# KiCad board MW601_KB.kicad_pcb (continued)
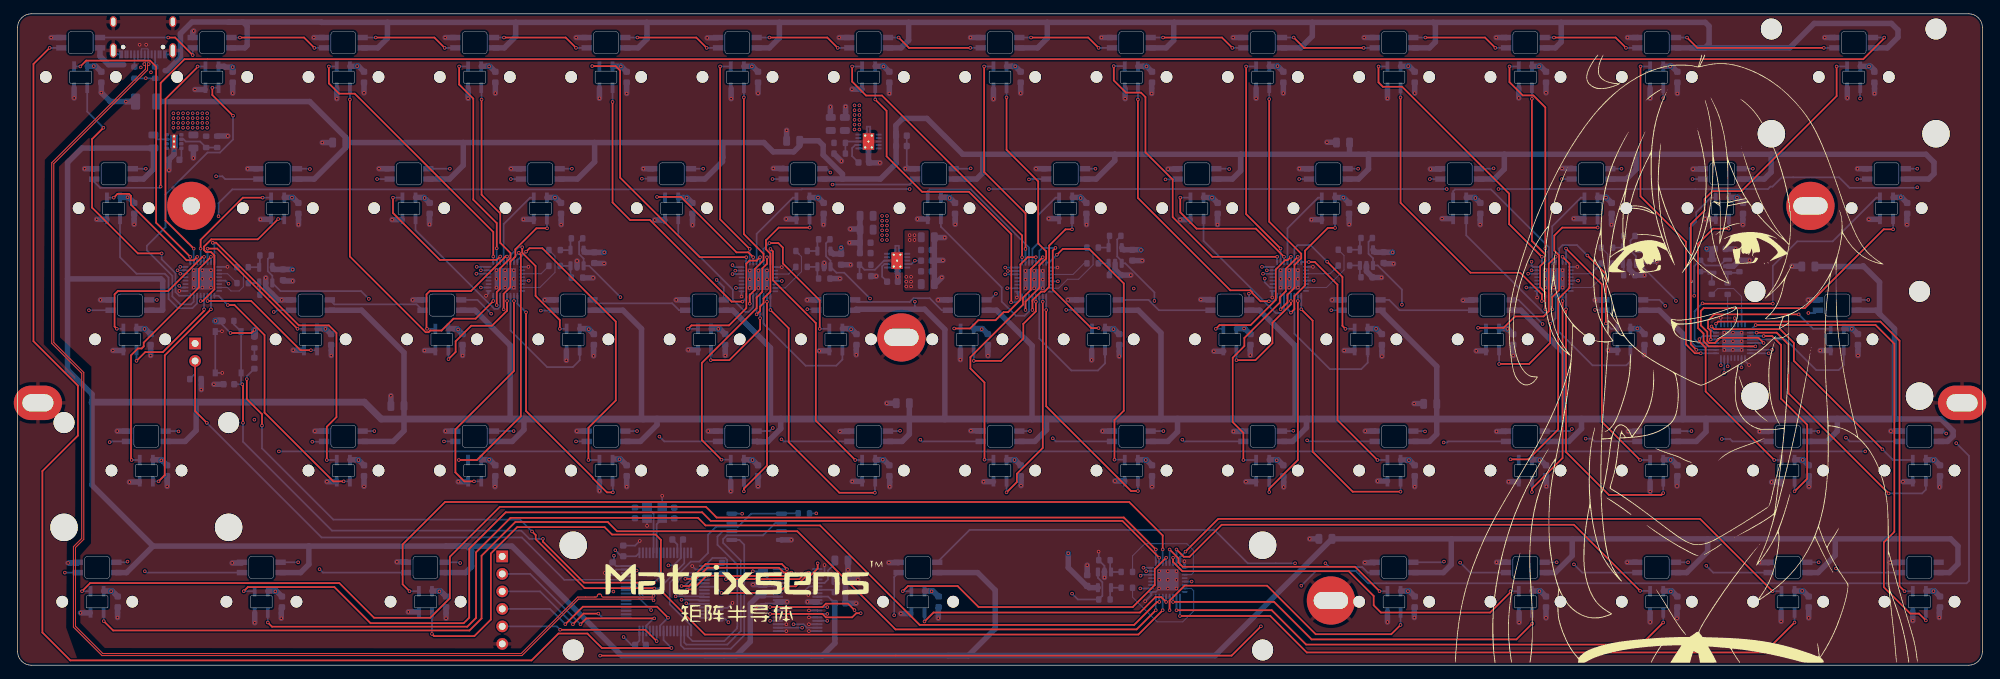
[diagram p0: board, top side]
## Routing (per net, layer and track width the routed paths; a pad name or vN(x,y) marks a point on that pad's centre or on a via; arc(x,y) is an arc through that point) (continued)
  Top w0.25: v1(25.05,59.3) 20.09,64.26 20.09,86.93 19.22,87.8 9.95,87.8 v1(9.1,86.95)
  Bottom w0.25: U2.17 v1(25.05,59.3) ; v1(9.1,86.95) MW1.2
/Key Layout/OUT_P2: length 33.2
  Top w0.25: v1(25.55,60.5) 21.45,64.6 21.45,82.21 26.1,86.86 v1(26.1,86.95)
  Bottom w0.25: v1(26.1,86.95) MW2.2 ; U2.18 v1(25.55,60.5)
/Key Layout/OUT_P3: length 40.8
  Top w0.25: v1(45.15,86.95) 45.15,84.49 46.64,83 48.91,83 69,62.91 v1(69,59.35)
  Bottom w0.25: v1(69,59.35) U3.17 ; v1(45.15,86.95) MW3.2
/Key Layout/OUT_P4: length 32
  Top w0.25: v1(69.5,60.55) 69.5,64.2 66.1,67.6 66.1,82.28 64.05,84.33 v1(64.05,86.95)
  Bottom w0.25: v1(64.05,86.95) MW4.2 ; U3.18 v1(69.5,60.55)
/Key Layout/OUT_P5: length 44.8
  Top w0.25: v1(83.35,87) 86.75,87 87.4,86.35 87.4,70.8 98.95,59.25 v1(105.7,59.25)
  Bottom w0.25: v1(83.35,87) 84.35,87 MW5.2 ; U4.17 v1(105.7,59.25)
/Key Layout/OUT_P6: length 31.8
  Top w0.25: v1(101.9,86.95) 101.9,64.75 v1(106.2,60.45)
  Bottom w0.25: v1(101.9,86.95) MW6.2 ; U4.18 v1(106.2,60.45)
/Key Layout/OUT_P7: length 41.5
  Top w0.25: v1(121.05,86.95) 121.05,84.75 123.07,82.73 125.38,82.73 145.7,62.41 v1(145.7,59.25)
  Bottom w0.25: v1(145.7,59.25) U5.17 ; v1(121.05,86.95) MW7.2
/Key Layout/OUT_P8: length 32.3
  Top w0.25: v1(146.2,60.45) 146.2,65.62 140.2,71.62 v1(140.2,86.95)
  Bottom w0.25: U5.18 v1(146.2,60.45) ; v1(140.2,86.95) MW8.2
/Key Layout/OUT_P9: length 46.7
  Top w0.25: v1(182.7,59.31) 173.31,59.31 167.55,65.08 167.55,70.52 163.6,74.47 163.6,82.5 162.95,83.15 160.77,83.15 159,84.92 v1(159,87)
  Bottom w0.25: v1(159,87) 160.55,87 MW9.2 ; U6.17 v1(182.7,59.31)
/Key Layout/OUT_P10: length 31.9
  Top w0.25: v1(183.2,60.51) 178.2,65.51 v1(178.2,86.95)
  Bottom w0.25: v1(178.2,86.95) MW10.2 ; U6.18 v1(183.2,60.51)
/Key Layout/OUT_P11: length 41.2
  Top w0.25: v1(221.1,59.31) 220.98,59.43 220.97,59.43 216.35,64.05 216.35,68.48 216.14,68.69 200.83,84 198.04,84 197.4,84.64 v1(197.4,86.95)
  Bottom w0.25: v1(221.1,59.31) U7.17 ; v1(197.4,86.95) MW11.2
/Key Layout/OUT_P12: length 32.8
  Top w0.25: v1(216.4,86.95) 216.4,84.67 218.33,82.75 219.86,82.75 221.6,81 v1(221.6,60.51)
  Bottom w0.25: U7.18 v1(221.6,60.51) ; v1(216.4,86.95) MW12.2
/Key Layout/OUT_P13: length 49.4
  Top w0.25: v1(244.15,45.31) 243.3,45.31 242,46.6 242,61.5 235.4,68.1 v1(235.4,86.95)
  Bottom w0.25: v1(244.15,45.31) 244.16,45.3 U8.17 ; v1(235.4,86.95) MW13.2
/Key Layout/OUT_P14: length 57.1
  Top w0.25: v1(243.5,45.8) 242.7,46.6 242.7,64.05 244.7,66.05 244.7,67.7 245.85,68.85 250.05,68.85 263.85,82.65 v1(263.85,86.95)
  Bottom w0.25: v1(243.5,45.8) U8.18 ; v1(263.85,86.95) MW14.2
/Key Layout/OUT_P15: length 19
  Top w0.25: v1(26.05,59.3) 25.56,58.81 24.52,58.81 16.45,66.88 16.45,68.16 16.15,68.44 14.5,68.44 v1(13.95,67.9)
  Bottom w0.25: v1(13.95,67.9) MW15.2 ; U2.19 v1(26.05,59.3)
/Key Layout/OUT_P16: length 16
  Top w0.25: v1(35.55,67.9) 32.67,67.9 26.55,61.78 v1(26.55,60.5)
  Bottom w0.25: v1(35.55,67.9) MW16.2 ; U2.20 v1(26.55,60.5)
/Key Layout/OUT_P17: length 23
  Top w0.25: v1(54.45,67.9) 54.45,65.66 61.26,58.86 69.5,58.86 v1(70,59.35)
  Bottom w0.25: v1(54.45,67.9) 55.83,67.9 ; U3.19 v1(70,59.35)
/Key Layout/OUT_P18: length 11.5
  Bottom w0.25: U3.20 70.5,64.05 74.35,67.9 MW18.2
/Key Layout/OUT_P19: length 19.6
  Top w0.25: v1(92.75,68) 96.24,68 104.28,59.95 105.99,59.95 v1(106.7,59.25)
  Bottom w0.25: U4.19 v1(106.7,59.25) ; MW19.2 93.83,68 v1(92.75,68)
/Key Layout/OUT_P20: length 12.1
  Bottom w0.25: U4.20 107.2,62.64 112.46,67.9 MW20.2
/Key Layout/OUT_P21: length 21.4
  Bottom w0.25: U5.19 146.7,60.65 138.25,69.1 132.3,69.1 132.03,68.83 MW21.2
/Key Layout/OUT_P22: length 11.4
  Bottom w0.25: U5.20 147.2,60.45 148.05,61.3 148.05,65.38 150.56,67.9 MW22.2
/Key Layout/OUT_P23: length 22.1
  Top w0.25: v1(168.65,67.9) 168.65,65.76 171.01,63.4 179.61,63.4 v1(183.7,59.31)
  Bottom w0.25: U6.19 v1(183.7,59.31) ; v1(168.65,67.9) MW23.2
/Key Layout/OUT_P24: length 11.7
  Bottom w0.25: U6.20 184.2,63.45 188.65,67.9 MW24.2
/Key Layout/OUT_P25: length 20.6
  Bottom w0.25: U7.19 222.1,60.71 213.71,69.1 208.5,69.1 208.23,68.83 MW25.2
/Key Layout/OUT_P26: length 11.6
  Bottom w0.25: U7.20 222.6,63.74 226.76,67.9 MW26.2
/Key Layout/OUT_P27: length 26.9
  Bottom w0.25: U8.19 243.4,46.3 242.55,47.15 242.55,63.49 243.48,64.42 243.48,65.78 245.6,67.9 MW27.2
/Key Layout/OUT_P28: length 44.4
  Top w0.25: v1(254.6,52.5) 244.45,52.5 v1(244.4,52.55)
  Bottom w0.25: MW28.2 269.62,67.9 263.28,61.55 258.15,61.55 254.6,58 v1(254.6,52.5) ; v1(244.4,52.55) 243.25,51.4 243.25,47.35 243.8,46.8 U8.20
/Key Layout/OUT_P29: length 22.1
  Top w0.25: v1(27.05,59.3) 26.8,59.3 21.84,54.34 14.55,54.34 14.07,53.86 14.07,49.18 v1(14.4,48.85)
  Bottom w0.25: U2.21 v1(27.05,59.3) ; v1(14.4,48.85) MW29.2
/Key Layout/OUT_P30: length 20.8
  Top w0.25: v1(27.55,60.5) 28.95,60.5 v1(40.6,48.85)
  Bottom w0.25: v1(40.6,48.85) MW30.2 ; U2.22 v1(27.55,60.5)
/Key Layout/OUT_P31: length 21
  Top w0.25: v1(59.4,48.85) 59.31,48.94 59.31,53.86 59.79,54.34 65.76,54.34 70.77,59.35 v1(71,59.35)
  Bottom w0.25: U3.21 v1(71,59.35) ; v1(59.4,48.85) MW31.2
/Key Layout/OUT_P32: length 18.3
  Top w0.25: v1(73.2,60.7) 73.2,59.9 75.13,57.97 75.13,53.64 78.65,50.12 v1(78.65,48.85)
  Bottom w0.25: v1(78.65,48.85) MW32.2 ; v1(73.2,60.7) 72.65,60.7 71.5,59.55 U3.22
/Key Layout/OUT_P33: length 20.7
  Top w0.25: v1(97.25,48.85) 97.74,49.34 103.2,49.34 105.7,51.85 105.7,58.31 106.15,58.75 107.2,58.75 v1(107.7,59.25)
  Bottom w0.25: v1(97.25,48.85) MW33.2 ; U4.21 v1(107.7,59.25)
/Key Layout/OUT_P34: length 20.8
  Top w0.25: v1(116.35,48.85) 116.35,52.99 111,58.34 111,60.65 110.35,61.3 v1(109.05,61.3)
  Bottom w0.25: v1(116.35,48.85) MW34.2 ; v1(109.05,61.3) 108.2,60.45 U4.22
/Key Layout/OUT_P35: length 20.9
  Top w0.25: v1(147.7,59.25) 146.5,59.25 145.46,58.21 145.46,53.06 143.68,51.28 143.03,51.28 141.85,50.1 139.35,50.1 138.15,48.9 v1(135.85,48.9)
  Bottom w0.25: v1(135.85,48.9) 136.74,48.9 MW35.2 ; 147.7,58.49 v1(147.7,59.25)
/Key Layout/OUT_P36: length 20.5
  Top w0.25: v1(156.8,48.95) 155.74,48.95 150.15,54.54 150.15,60.2 v1(150.55,60.6)
  Bottom w0.25: 148.2,58.49 148.2,60.15 148.65,60.6 v1(150.55,60.6) ; v1(156.8,48.95) 155.94,48.95 155.89,48.9 ; 155.89,48.9 MW36.2 155.89,48.9
/Key Layout/OUT_P37: length 19.7
  Top w0.25: v1(173.8,48.85) 174.34,49.39 178.84,49.39 182.5,53.05 182.5,57.46 183.85,58.82 184.21,58.82 v1(184.7,59.31)
  Bottom w0.25: v1(173.8,48.85) MW37.2 ; U6.21 v1(184.7,59.31)
/Key Layout/OUT_P38: length 20.1
  Top w0.25: v1(192.6,48.85) 192.17,49.28 192.17,56.38 v1(189.95,58.6)
  Bottom w0.25: U6.22 185.2,60.51 185.7,61.01 187.54,61.01 189.6,58.95 v1(189.95,58.6) ; v1(192.6,48.85) MW38.2
/Key Layout/OUT_P39: length 21.5
  Top w0.25: v1(211.85,49) 215.55,49 217.2,50.65 221.35,50.65 222.09,51.39 222.09,58.31 v1(223.1,59.31)
  Bottom w0.25: v1(223.1,59.31) U7.21 ; MW39.2 212.84,49 v1(211.85,49)
/Key Layout/OUT_P40: length 19.9
  Top w0.25: v1(227.7,59.5) 230.38,56.83 v1(230.38,49.62)
  Bottom w0.25: MW40.2 231.15,48.85 v1(230.38,49.62) ; v1(227.7,59.5) 226.19,61.01 224.09,61.01 223.6,60.51 U7.22
/Key Layout/OUT_P41: length 22.7
  Top w0.25: v1(258.35,50.95) 246.1,50.95 245.2,50.05 245.2,48.95 245.59,48.56 v1(245.59,47.3)
  Bottom w0.25: v1(258.35,50.95) 260.45,48.85 MW41.2 ; v1(245.59,47.3) U8.21
/Key Layout/OUT_P42: length 36.6
  Top w0.25: v1(28.05,59.3) 26.31,57.56 26.31,54.86 18.3,46.85 18.3,46.29 18,46 17.45,46 16.45,45 16.45,29.9 v1(16.55,29.8)
  Bottom w0.25: U2.23 v1(28.05,59.3) ; v1(16.55,29.8) MW42.2
/Key Layout/OUT_P43: length 46.8
  Top w0.25: v1(28.3,61.35) 28.8,61.35 40.8,49.34 45.16,49.34 46.25,48.25 46.25,36.03 44.85,34.63 v1(44.85,29.8)
  Bottom w0.25: U2.24 28.55,61.1 v1(28.3,61.35) ; v1(44.85,29.8) MW43.2
/Key Layout/OUT_P44: length 38.5
  Top w0.25: v1(72.7,59.9) 72.83,59.77 72.83,59.75 72.99,59.58 72.99,36.16 66.63,29.8 v1(64,29.8)
  Bottom w0.25: v1(64,29.8) MW44.2 ; v1(72.7,59.9) 72,59.19 U3.23
/Key Layout/OUT_P45: length 43
  Top w0.25: v1(82.8,29.8) 82.8,34.48 86.77,38.45 86.77,49.9 76.12,60.55 74.25,60.55 v1(73.75,60.05)
  Bottom w0.25: U3.24 72.5,58.8 v1(73.75,60.05) ; v1(82.8,29.8) MW45.2
/Key Layout/OUT_P46: length 36.6
  Top w0.25: v1(102.1,29.85) 99.25,32.7 99.25,43.9 107.2,51.85 107.2,53.4 108.02,54.22 108.02,57.62 108.7,58.3 v1(108.7,59.25)
  Bottom w0.25: U4.23 v1(108.7,59.25) ; v1(102.1,29.85) 103.4,29.85 MW46.2
/Key Layout/OUT_P47: length 38.7
  Top w0.25: v1(121.5,29.8) 115.78,35.52 115.78,49.69 109.56,55.91 109.56,60.09 v1(109.2,60.45)
  Bottom w0.25: v1(109.2,60.45) U4.24 ; v1(121.5,29.8) MW47.2
/Key Layout/OUT_P48: length 36.7
  Top w0.25: v1(148.7,59.25) 146.96,57.5 146.96,54.49 145.83,53.36 145.83,52.36 138.21,44.73 138.21,43.09 140.25,41.05 v1(140.25,29.85)
  Bottom w0.25: v1(140.25,29.85) 141.5,29.85 MW48.2 ; U5.23 v1(148.7,59.25)
/Key Layout/OUT_P49: length 41.9
  Top w0.25: v1(150.75,59.6) 151.6,60.45 155.45,60.45 160.45,55.45 160.45,36.95 159.1,35.6 v1(159.1,29.85)
  Bottom w0.25: 149.25,58.49 149.64,58.49 v1(150.75,59.6) ; 149.25,58.49 U5.24 ; 149.25,58.49 149.2,58.49 ; v1(159.1,29.85) 160.55,29.85 MW49.2
/Key Layout/OUT_P50: length 36.7
  Top w0.25: v1(185.7,59.31) 183.96,57.57 183.96,54.31 183.09,53.44 183.09,52.66 177.95,47.52 177.95,46.35 176.26,44.66 176.26,35.3 177.8,33.75 v1(177.8,29.8)
  Bottom w0.25: U6.23 v1(185.7,59.31) ; v1(177.8,29.8) MW50.2
/Key Layout/OUT_P51: length 35.9
  Top w0.25: v1(197.25,29.8) 191.45,35.6 191.45,55.26 188.16,58.55 v1(187.3,58.55)
  Bottom w0.25: MW51.2 v1(197.25,29.8) ; v1(187.3,58.55) 186.21,58.55 ; 186.21,58.55 U6.24 ; 186.21,58.55 186.2,58.55
/Key Layout/OUT_P52: length 36.9
  Top w0.25: v1(224.1,59.31) 225.09,58.32 225.09,54.8 223.45,53.16 223.45,34.22 219.14,29.9 v1(216.55,29.9)
  Bottom w0.25: U7.23 v1(224.1,59.31) ; MW52.2 217.65,29.9 v1(216.55,29.9)
/Key Layout/OUT_P53: length 38.6
  Top w0.25: v1(224.6,60.51) 229.8,55.31 229.8,35.35 v1(235.35,29.8)
  Bottom w0.25: v1(224.6,60.51) U7.24 ; v1(235.35,29.8) MW53.2
/Key Layout/OUT_P54: length 25.7
  Top w0.25: v1(243.95,47.35) 243.95,47 244.85,46.1 244.85,39.75 v1(254.8,29.8)
  Bottom w0.25: v1(243.95,47.35) 244.4,47.8 U8.22 ; v1(254.8,29.8) MW54.2
/Key Layout/OUT_P55: length 40.1
  Top w0.25: v1(270.5,31.35) 257.65,44.2 257.65,46.8 255.66,48.8 246.11,48.8 v1(245.7,49.2)
  Bottom w0.25: v1(245.7,49.2) 245.7,48.63 246.03,48.3 U8.23 ; v1(270.5,31.35) 272.05,29.8 MW55.2
/Key Layout/OUT_P56: length 174.3
  Top w0.25: v1(165.1,16.81) 160.46,21.45 101.4,21.45 99.85,23 69.95,23 62.7,15.75 62.7,9.73 59.87,6.9 51.7,6.9 46.67,11.93 10.53,11.93 v1(9.35,10.75)
  Bottom w0.25: U9.17 v1(165.1,16.81) ; v1(9.35,10.75) MW56.2
/Key Layout/OUT_P57: length 152.8
  Top w0.25: v1(165.6,15.61) 160.26,20.95 100.55,20.95 99.3,22.2 70.8,22.2 65.51,16.91 65.51,6.91 64.7,6.1 51.2,6.1 45.95,11.35 33.4,11.35 v1(32.8,10.75)
  Bottom w0.25: v1(32.8,10.75) MW57.2 ; v1(165.6,15.61) U9.18
/Key Layout/OUT_P58: length 127.4
  Top w0.25: v1(56.85,10.75) 55.85,11.75 55.85,17.55 62,23.7 161.25,23.7 166.1,18.85 v1(166.1,16.81)
  Bottom w0.25: U9.19 v1(166.1,16.81) ; v1(56.85,10.75) MW58.2
/Key Layout/OUT_P59: length 46.1
  Top w0.25: v1(128.4,10.75) 129.15,11.5 136.35,11.5 139.4,8.45 161.75,8.45 164.94,11.64 164.94,13.96 v1(166.6,15.61)
  Bottom w0.25: v1(128.4,10.75) MW59.2 ; U9.20 v1(166.6,15.61)
/Key Layout/OUT_P60: length 36.4
  Top w0.25: v1(167.1,16.81) 168.38,15.53 168.38,14.92 169,14.3 194,14.3 v1(197.55,10.75)
  Bottom w0.25: v1(167.1,16.81) U9.21 ; MW60.2 v1(197.55,10.75)
/Key Layout/OUT_P61: length 56.7
  Top w0.25: v1(167.6,15.61) 167.6,15 168.95,13.65 193.1,13.65 196.7,10.05 196.7,8.7 197.75,7.65 213.59,7.65 216.55,10.61 v1(216.55,10.75)
  Bottom w0.25: U9.22 v1(167.6,15.61) ; v1(216.55,10.75) MW61.2
/Key Layout/OUT_P62: length 77
  Top w0.25: v1(168.1,16.81) 169.16,15.75 170,15.75 174.65,20.4 225.75,20.4 v1(235.35,10.8)
  Bottom w0.25: v1(168.1,16.81) U9.23 ; MW62.2 236.75,10.8 v1(235.35,10.8)
/Key Layout/OUT_P63: length 94.8
  Top w0.25: v1(254.55,10.75) 244.05,21.25 174.15,21.25 v1(169.4,16.5)
  Bottom w0.25: v1(254.55,10.75) MW63.2 ; v1(169.4,16.5) 168.6,15.7 U9.24
/Key Layout/OUT_P64: length 67
  Top w0.25: v1(273.7,10.75) 272.98,11.47 272.98,47.12 270.19,49.91 246.66,49.91 v1(246.35,49.6)
  Bottom w0.25: 246.35,49.2 246.38,49.17 U8.24 ; 246.35,49.2 246.35,48.8 ; 246.35,49.2 v1(246.35,49.6) ; v1(273.7,10.75) MW64.2
/MCU/A0: length 464.9
  In1.Cu w0.25: v1(23.2,57.35) 24.3,57.35 25.67,58.72 64.94,58.72 66.3,57.36 67.19,57.36 v1(67.2,57.35) 68.19,58.34 80.8,58.34 81.6,57.55 103.85,57.55 v1(104.1,57.3) 105.15,58.35 109.7,58.35 112.49,61.15 120.05,61.15 120.55,60.65 139.6,60.65 143,57.25 v1(143.65,57.25) 144.75,57.25 147.61,60.1 157.26,60.1 159.6,62.45 164.25,62.45 169.35,57.35 v1(181.2,57.35) 182.2,58.35 186.4,58.35 187.15,59.09 217.86,59.09 v1(219.6,57.35) 221.05,58.8 237.18,58.8 237.57,59.2 244.25,59.2 251.5,51.95 251.5,44.65 252.25,43.9 252.25,42.65 251.7,42.1 247.9,42.1 v1(247.55,42.45) 247.55,43.75 247.25,44.05 246.44,44.05 245.35,42.95 245.35,24.5 242.95,22.1 168.4,22.1 162.3,16 162.3,14.15 162.8,13.65 v1(163.7,13.65) 164.05,13.65 164.75,12.95 164.75,9.45 163.65,8.35 143.2,8.35 137.6,2.75 100.15,2.75 95.45,7.45 v1(95.45,10)
  Bottom w0.25: U6.15 v1(181.2,57.35) ; U2.15 v1(23.2,57.35) ; v1(95.45,10) 99.52,10 99.62,9.9 ; U8.15 247.55,44.6 v1(247.55,42.45) ; U7.15 v1(219.6,57.35) ; U9.15 v1(163.7,13.65) ; U4.15 v1(104.1,57.3) ; U5.15 v1(143.65,57.25) ; U3.15 v1(67.2,57.35)
/MCU/A1: length 457.7
  In1.Cu w0.25: v1(23.6,56.85) 24.27,56.85 24.4,56.98 24.45,56.98 25.82,58.34 64.45,58.34 65.95,56.85 v1(66.55,56.85) 68.27,56.85 69.27,57.84 73.16,57.84 73.82,57.18 103.32,57.18 v1(103.7,56.8) 105,56.8 106.08,57.88 110.22,57.88 112.5,60.16 139.25,60.16 142.65,56.75 v1(143.25,56.75) 145,56.75 146.7,58.45 156.4,58.45 159.75,61.8 164.1,61.8 169.05,56.85 v1(180.65,56.85) 182,56.85 183,57.84 187.2,57.84 187.74,57.3 218.65,57.3 v1(219.1,56.85) 220.05,56.85 221.55,58.35 235.38,58.35 235.82,57.9 244.75,57.9 251,51.65 251,44.54 251.7,43.84 251.7,43.25 251.15,42.7 248.75,42.7 v1(248.05,43.4) 248.05,43.77 247.41,44.42 246.22,44.42 244.75,42.95 244.75,25 242.75,23 168,23 161.6,16.6 161.6,14.25 162.85,13 v1(162.9,13) 163.65,12.25 163.65,10.75 161.75,8.85 142.85,8.85 137.3,3.3 100.9,3.3 96.3,7.9 v1(96.3,9.5)
  Bottom w0.25: U6.14 v1(180.65,56.85) ; U5.14 v1(143.25,56.75) ; v1(248.05,43.4) 248.06,43.41 U8.14 ; U7.14 v1(219.1,56.85) ; U3.14 v1(66.55,56.85) ; v1(162.9,13) 163.05,13.15 U9.14 ; v1(96.3,9.5) 98.75,9.5 98.85,9.4 99.62,9.4 ; U2.14 v1(23.6,56.85) ; U4.14 v1(103.7,56.8)
/MCU/A2: length 453.5
  In1.Cu w0.25: v1(97,9) 97,8.1 101.25,3.85 136.95,3.85 143.01,9.91 161.61,9.91 v1(162.85,11.15) 160.7,13.3 160.7,16.85 167.35,23.5 234.7,23.5 234.95,23.75 241.9,23.75 244.15,26 244.15,43.15 245.85,44.85 247.9,44.85 249.5,43.25 v1(250.05,43.25) 250.6,43.8 250.6,51.05 244.3,57.35 234.06,57.35 233.5,56.8 220.8,56.8 v1(218.85,54.85) 216.85,56.85 182.52,56.85 181.82,56.15 v1(180.9,56.15) 180.85,56.2 168.7,56.2 163.55,61.35 160,61.35 155.15,56.5 145.3,56.5 v1(143.55,54.75) 141.25,57.05 119.48,57.05 118.97,56.55 105.95,56.55 v1(104.2,54.8) 102.26,56.75 70.4,56.75 70.05,56.39 70.05,55.7 69.69,55.34 67.69,55.34 v1(67.2,54.85) 65.3,56.75 25.1,56.75 v1(23.45,55.1)
  Bottom w0.25: v1(23.45,55.1) 23.7,54.85 U2.10 ; U4.10 v1(104.2,54.8) ; v1(97,9) 97.1,8.9 99.62,8.9 ; U3.10 v1(67.2,54.85) ; U8.10 250.05,44.6 v1(250.05,43.25) ; v1(180.9,56.15) 180.9,55.61 181.66,54.85 U6.10 ; U5.10 v1(143.55,54.75) ; U7.10 v1(218.85,54.85) ; U9.10 v1(162.85,11.15)
/MCU/BOOT0: length 82.9
  Top w0.25: J3.2 25.75,36.9 v1(27.45,35.2)
  Bottom w0.25: J3.2 25.75,42.33 R4.2 ; v1(27.45,35.2) 44.1,18.55 73.15,18.55 79.3,12.4 88.27,12.4
/MCU/D+: length 188.5
  Top w0.149: v1(19.02,87.3) 18.85,87.12 18.85,86.44 5.25,72.84 5.25,46.86 9.6,42.51 9.6,18.29 8.4,17.09 8.4,5.66 12.36,1.7 73.04,1.7 81.24,9.9 83.89,9.9 arc(84.04,9.96) 84.1,10.12 arc(84.17,10.27) 84.32,10.33 84.49,10.33 arc(84.64,10.27) 84.7,10.12 arc(84.77,9.96) 84.92,9.9 92.07,9.9 v1(92.25,10.08)
  Bottom w0.149: 88.27,11.9 89.44,11.9 89.54,11.8 89.86,11.8 90.5,11.16 90.5,10.31 90.91,9.9 92.07,9.9 v1(92.25,10.08) ; J2.A6 17.95,89.45 18,89.5 18.88,89.5 18.95,89.43 J2.B6 18.95,87.84 18.85,87.74 18.85,87.48 v1(19.02,87.3)
/MCU/D-: length 188.5
  Top w0.149: v1(92.25,9.42) 92.07,9.6 81.36,9.6 73.16,1.4 12.24,1.4 8.1,5.54 8.1,17.21 9.3,18.41 9.3,42.39 4.95,46.74 4.95,72.96 18.55,86.56 18.55,87.12 v1(18.38,87.3)
  Bottom w0.149: 18.45,88.03 J2.A7 18.45,88.03 ; 18.45,88.03 18.45,87.84 18.55,87.74 18.55,87.48 v1(18.38,87.3) ; 18.45,88.03 18.32,87.91 17.52,87.91 17.45,87.98 J2.B7 ; 88.27,11.4 89.44,11.4 89.54,11.5 89.74,11.5 90.2,11.04 90.2,10.19 90.79,9.6 92.07,9.6 v1(92.25,9.42)
/MCU/EN: length 478.5
  In1.Cu w0.25: v1(91.9,8) 92.25,8 97.95,2.3 138.05,2.3 143.1,7.35 163.5,7.35 164.7,8.55 165.66,8.55 166.11,8.99 166.11,13.81 166.2,13.9 165.95,14.15 v1(163.3,14.15) 163.3,15.71 169.04,21.45 243.7,21.45 246.2,23.95 246.2,42.7 v1(247.05,43.55) 247.05,42.25 247.75,41.55 252,41.55 252.75,42.3 252.75,52.15 254.3,53.7 254.3,57.3 251.85,59.75 236.7,59.75 236.45,60 221,60 v1(219.6,58.6) 217.65,60.55 187.8,60.55 186.07,58.82 181.47,58.82 v1(180.5,57.85) 169.7,57.85 164.65,62.9 158.9,62.9 157.15,61.15 147.85,61.15 146.65,59.95 145.45,59.95 v1(143.25,57.75) 143.25,57.77 139.87,61.15 122.95,61.15 122.26,61.84 112.2,61.84 109.07,58.72 104.32,58.72 v1(103.7,58.1) 102.5,59.3 81.05,59.3 80.61,58.86 67.61,58.86 v1(66.6,57.85) 64.66,59.8 24.85,59.8 23.6,58.55 v1(23.6,57.85)
  Bottom w0.25: v1(247.05,43.55) 247.06,43.56 U8.16 ; U4.16 104,57.8 v1(103.7,58.1) ; U7.16 219.8,57.85 219.6,58.05 v1(219.6,58.6) ; U3.16 v1(66.6,57.85) ; U9.16 v1(163.3,14.15) ; 88.27,9.9 90,9.9 v1(91.9,8) ; U2.16 v1(23.6,57.85) ; U6.16 v1(180.5,57.85) ; U5.16 v1(143.25,57.75)
/MCU/LED_Pin: length 86
  Top w0.25: v1(74.62,19.42) 74.63,19.42 75.16,18.89 75.16,18.3 82.25,11.19 92.3,11.19 v1(92.35,11.15) ; v1(35.45,34.8) 35.45,36.45 33.25,38.65 v1(33.25,41.55)
  Bottom w0.25: D65.1 33.25,41.96 v1(33.25,41.55) ; v1(92.35,11.15) 93.05,11.15 96.7,14.8 U23.14 ; v1(35.45,34.8) 35.45,31.5 45.8,21.15 72.89,21.15 v1(74.62,19.42)
/MCU/NRST: length 92.3
  Top w0.25: v1(76.2,18.35) 76.2,17.95 82.15,12 v1(92.35,12) ; v1(32.7,35.2) 32.7,40.7 v1(32.6,40.8)
  Bottom w0.25: C76.2 v1(32.6,40.8) 32.42,40.97 SW1.2 SW1.2 31.38,49.5 R1.1 ; v1(32.7,35.2) 32.7,32.45 45.6,19.55 73.05,19.55 74.25,18.35 v1(76.2,18.35) ; U23.7 93.2,12.85 v1(92.35,12)
/MCU/OSC_IN: length 8.8
  Bottom w0.25: C78.2 91.22,22.9 Y1.3 92.25,22.03 92.25,16.38 U23.5
/MCU/OSC_OUT: length 7.1
  Bottom w0.25: C79.2 95.2,21.28 Y1.1 92.7,20.48 U23.6
/MCU/SPI2_MISO: length 34.7
  Bottom w0.25: U23.35 96.7,3.3 97,3 102.95,3 104.9,4.95 104.9,15.2 102.34,17.76 102.34,18.31 102.87,18.85 108.11,18.85 110,20.73 U22.2
/MCU/SPI2_MOSI: length 27.5
  Bottom w0.25: U22.5 104.7,18.19 105.4,17.5 105.4,4.35 103.45,2.4 96.7,2.4 96.2,2.9 U23.36
/MCU/SPI2_NSS: length 32.6
  Bottom w0.25: R38.1 110.84,22.05 U22.1 106.41,22 104.51,20.1 101.3,20.1 100.15,18.95 100.15,16.3 98.9,15.05 97.65,15.05 94.6,12 94.6,8.85 97.7,5.75 U23.33
/MCU/SPI2_SCK: length 25.9
  Bottom w0.25: U22.6 102.3,19.47 101.52,18.69 101.52,17.48 104.4,14.6 104.4,5.6 104.35,5.55 104.35,5.35 102.5,3.5 97.9,3.5 97.2,4.2 U23.34
/MCU/SWCLK: length 20.8
  Top w0.25: v1(84.25,7.5) 82.1,7.5 v1(80.55,5.95)
  Bottom w0.25: v1(80.55,5.95) 75.78,10.72 J1.3 ; 88.27,6.9 84.85,6.9 v1(84.25,7.5)
/MCU/SWDIO: length 27.8
  Top w0.25: v1(81.65,5.95) 82.5,6.8 v1(92.35,6.8)
  Bottom w0.25: J1.2 74.34,13.26 v1(81.65,5.95) ; U23.46 91.2,5.75 92.25,6.8 v1(92.35,6.8)
/MCU/USART1_RX: length 24.8
  Top w0.25: v1(78.7,5.15) 91.05,5.15 v1(92.7,3.5)
  Bottom w0.25: v1(78.7,5.15) 78.21,5.64 J1.5 ; U23.43 v1(92.7,3.5)
/MCU/USART1_TX: length 29.1
  Top w0.25: v1(79.45,5.95) 81.99,8.5 92.75,8.5 v1(94.35,6.9)
  Bottom w0.25: J1.4 77.22,8.18 v1(79.45,5.95) ; v1(94.35,6.9) 93.2,5.75 U23.42
Net-(D1-DOUT): length 15.6
  Top w0.25: v1(25.4,88.6) 22.85,91.15 v1(21.85,91.15)
  Bottom w0.25: v1(25.4,88.6) D2.4 ; D1.2 v1(21.85,91.15)
Net-(D2-DOUT): length 14.1
  Top w0.25: v1(43.05,89.65) 41.55,91.15 v1(32.25,91.15)
  Bottom w0.25: D2.2 v1(32.25,91.15) ; v1(43.05,89.65) D3.4
Net-(D3-DOUT): length 14.1
  Top w0.25: v1(51.95,91.15) 60.45,91.15 v1(61.95,89.65)
  Bottom w0.25: v1(61.95,89.65) D4.4 ; D3.2 v1(51.95,91.15)
Net-(D4-DOUT): length 14.1
  Top w0.25: v1(81,89.65) 79.5,91.15 v1(70.55,91.15)
  Bottom w0.25: v1(81,89.65) D5.4 ; D4.2 v1(70.55,91.15)
Net-(D5-DOUT): length 14.1
  Top w0.25: v1(99.95,89.65) 98.45,91.15 v1(89.9,91.15)
  Bottom w0.25: D5.2 v1(89.9,91.15) ; v1(99.95,89.65) D6.4
Net-(D6-DOUT): length 14.1
  Top w0.25: v1(118.95,89.65) 117.45,91.15 v1(109.05,91.15)
  Bottom w0.25: v1(118.95,89.65) D7.4 ; D6.2 v1(109.05,91.15)
Net-(D7-DOUT): length 14.1
  Top w0.25: v1(127.8,91.15) 129.3,89.65 v1(138.2,89.65)
  Bottom w0.25: v1(138.2,89.65) D8.4 ; D7.2 v1(127.8,91.15)
Net-(D8-DOUT): length 14.1
  Top w0.25: v1(156.8,89.65) 155.3,91.15 v1(147,91.15)
  Bottom w0.25: v1(156.8,89.65) D9.4 ; D8.2 v1(147,91.15)
Net-(D10-DIN): length 14.1
  Top w0.25: v1(176.2,89.65) 174.7,91.15 v1(166.15,91.15)
  Bottom w0.25: v1(176.2,89.65) D10.4 ; D9.2 v1(166.15,91.15)
Net-(D10-DOUT): length 14.1
  Top w0.25: v1(195.25,89.65) 186.6,89.65 v1(185.1,91.15)
  Bottom w0.25: v1(195.25,89.65) D11.4 ; D10.2 v1(185.1,91.15)
Net-(D11-DOUT): length 14.1
  Top w0.25: v1(214.35,89.65) 212.85,91.15 v1(204.2,91.15)
  Bottom w0.25: v1(214.35,89.65) D12.4 ; D11.2 v1(204.2,91.15)
Net-(D12-DOUT): length 14.1
  Top w0.25: v1(222.85,91.15) 231.8,91.15 v1(233.3,89.65)
  Bottom w0.25: D12.2 v1(222.85,91.15) ; v1(233.3,89.65) D13.4
Net-(D13-DOUT): length 23.6
  Top w0.25: v1(262,89.65) 243.65,89.65 v1(242.15,91.15)
  Bottom w0.25: v1(262,89.65) 263.53,89.65 ; D13.2 v1(242.15,91.15)
Net-(D14-DOUT): length 280
  Top w0.25: v1(270.75,91.15) 270.75,91.04 267.71,88 24.2,88 20.75,84.55 v1(20.75,69.5)
  Bottom w0.25: D15.4 11.11,70.19 11.97,69.33 20.57,69.33 v1(20.75,69.5) ; D14.2 v1(270.75,91.15)
Net-(D15-DOUT): length 18.8
  In2.Cu w0.25: v1(28.8,71) 19.7,71 v1(18.6,72.1)
  Bottom w0.25: D16.4 30.1,70.6 29.7,71 v1(28.8,71) ; v1(18.6,72.1) D15.2
Net-(D17-DOUT): length 14.7
  In2.Cu w0.25: v1(62.7,72.1) 62.4,72.1 70.05,72.1 v1(71.55,70.6)
  Bottom w0.25: D17.2 v1(62.7,72.1) ; v1(71.55,70.6) D18.4
Net-(D18-DOUT): length 14.1
  In2.Cu w0.25: v1(80.4,72.1) 89.1,72.1 v1(90.55,70.65)
  Bottom w0.25: D18.2 v1(80.4,72.1) ; v1(90.55,70.65) 92.02,70.65 D19.4
Net-(D19-DOUT): length 14.1
  In2.Cu w0.25: v1(99.45,72.1) 108,72.1 v1(109.5,70.6)
  Bottom w0.25: D19.2 v1(99.45,72.1) ; v1(109.5,70.6) D20.4
Net-(D20-DOUT): length 15.6
  In2.Cu w0.25: v1(118.2,69.8) 118.2,71.25 v1(117.9,71.55)
  Bottom w0.25: D20.2 117.35,72.1 v1(117.9,71.55) ; D21.4 129.38,69.8 v1(118.2,69.8)
Net-(D21-DOUT): length 14.2
  In2.Cu w0.25: v1(138.25,72.15) 138.3,72.1 145.15,72.1 v1(146.7,70.55)
  Bottom w0.25: 149.23,70.6 147.1,70.6 147.05,70.55 v1(146.7,70.55) ; 135.78,72.1 138.2,72.1 v1(138.25,72.15)
Net-(D22-DOUT): length 14.1
  In2.Cu w0.25: v1(166.5,70.55) 164.95,72.1 v1(156.35,72.1)
  Bottom w0.25: D23.4 168.23,70.55 v1(166.5,70.55) ; D22.2 v1(156.35,72.1)
Net-(D23-DOUT): length 14.1
  In2.Cu w0.25: v1(185.9,70.6) 184.55,71.95 175.85,71.95 v1(175.75,72.05)
  Bottom w0.25: v1(175.75,72.05) 175.7,72.1 173.88,72.1 ; v1(185.9,70.6) 187.33,70.6
Net-(D24-DOUT): length 14.1
  In2.Cu w0.25: v1(204.85,70.6) 203.35,72.1 v1(194.45,72.1)
  Bottom w0.25: D24.2 v1(194.45,72.1) ; v1(204.85,70.6) D25.4
Net-(D25-DOUT): length 14.1
  In2.Cu w0.25: v1(224,70.6) 222.45,72.15 v1(214.1,72.15)
  Bottom w0.25: D25.2 214.05,72.1 v1(214.1,72.15) ; v1(224,70.6) D26.4
Net-(D26-DOUT): length 14.1
  In2.Cu w0.25: v1(242.95,70.6) 241.45,72.1 v1(232.65,72.1)
  Bottom w0.25: D26.2 v1(232.65,72.1) ; v1(242.95,70.6) D27.4
Net-(D27-DOUT): length 18.8
  In2.Cu w0.25: v1(266.85,70.6) 265.35,72.1 v1(251.7,72.1)
  Bottom w0.25: v1(266.85,70.6) D28.4 ; 250.07,72.1 v1(251.7,72.1)
Net-(D28-DOUT): length 284.9
  In2.Cu w0.25: v1(214.8,69.15) v1(207.3,69.15) ; v1(140.9,69.15) v1(129.4,69.15) ; v1(275.55,72.1) v1(275.55,69.4) ; v1(10.35,51.55) 10.35,54.7 17.35,61.7 26.65,61.7 29.15,64.2 v1(29.15,65.2)
  Bottom w0.25: v1(275.55,69.4) 275.48,69.33 265.73,69.33 264.2,70.85 255.9,70.85 254.55,69.5 254.25,69.5 253.9,69.15 v1(214.8,69.15) ; v1(10.35,51.55) D29.4 ; v1(207.3,69.15) v1(140.9,69.15) ; v1(29.15,65.2) 29.15,67.1 31.15,69.1 113.75,69.1 113.8,69.15 v1(129.4,69.15) ; D28.2 v1(275.55,72.1)
Net-(D29-DOUT): length 28.3
  In2.Cu w0.25: v1(37.15,51.3) 37.15,50.65 32.1,45.6 24.68,45.6 20.2,50.08 v1(20.2,53.05)
  Bottom w0.25: v1(37.15,51.3) 37.4,51.3 37.65,51.55 D30.4 ; D29.2 v1(20.2,53.05)
Net-(D30-DOUT): length 14.1
  Bottom w0.25: D30.2 45.93,52.41 57.88,52.41 D31.4
Net-(D31-DOUT): length 14.7
  In2.Cu w0.25: v1(68.7,51.05) 68.99,50.75 75.16,50.75 v1(75.9,51.5)
  Bottom w0.25: v1(68.7,51.05) 66.7,53.05 D31.2 ; D32.4 77.74,51.5 v1(75.9,51.5)
Net-(D33-DOUT): length 19.9
  In2.Cu w0.25: v1(114.55,51.7) 114.15,52.1 109.01,52.1 108.76,51.85 105.4,51.85 101.4,55.85 v1(101.4,55.95)
  Bottom w0.25: v1(114.55,51.7) 115.74,51.7 D34.4 ; v1(101.4,55.95) 102.44,54.91 D33.2
